# Allegro board 1155001-Timing_board_V3_20241024_1805_pcb.brd (continued)
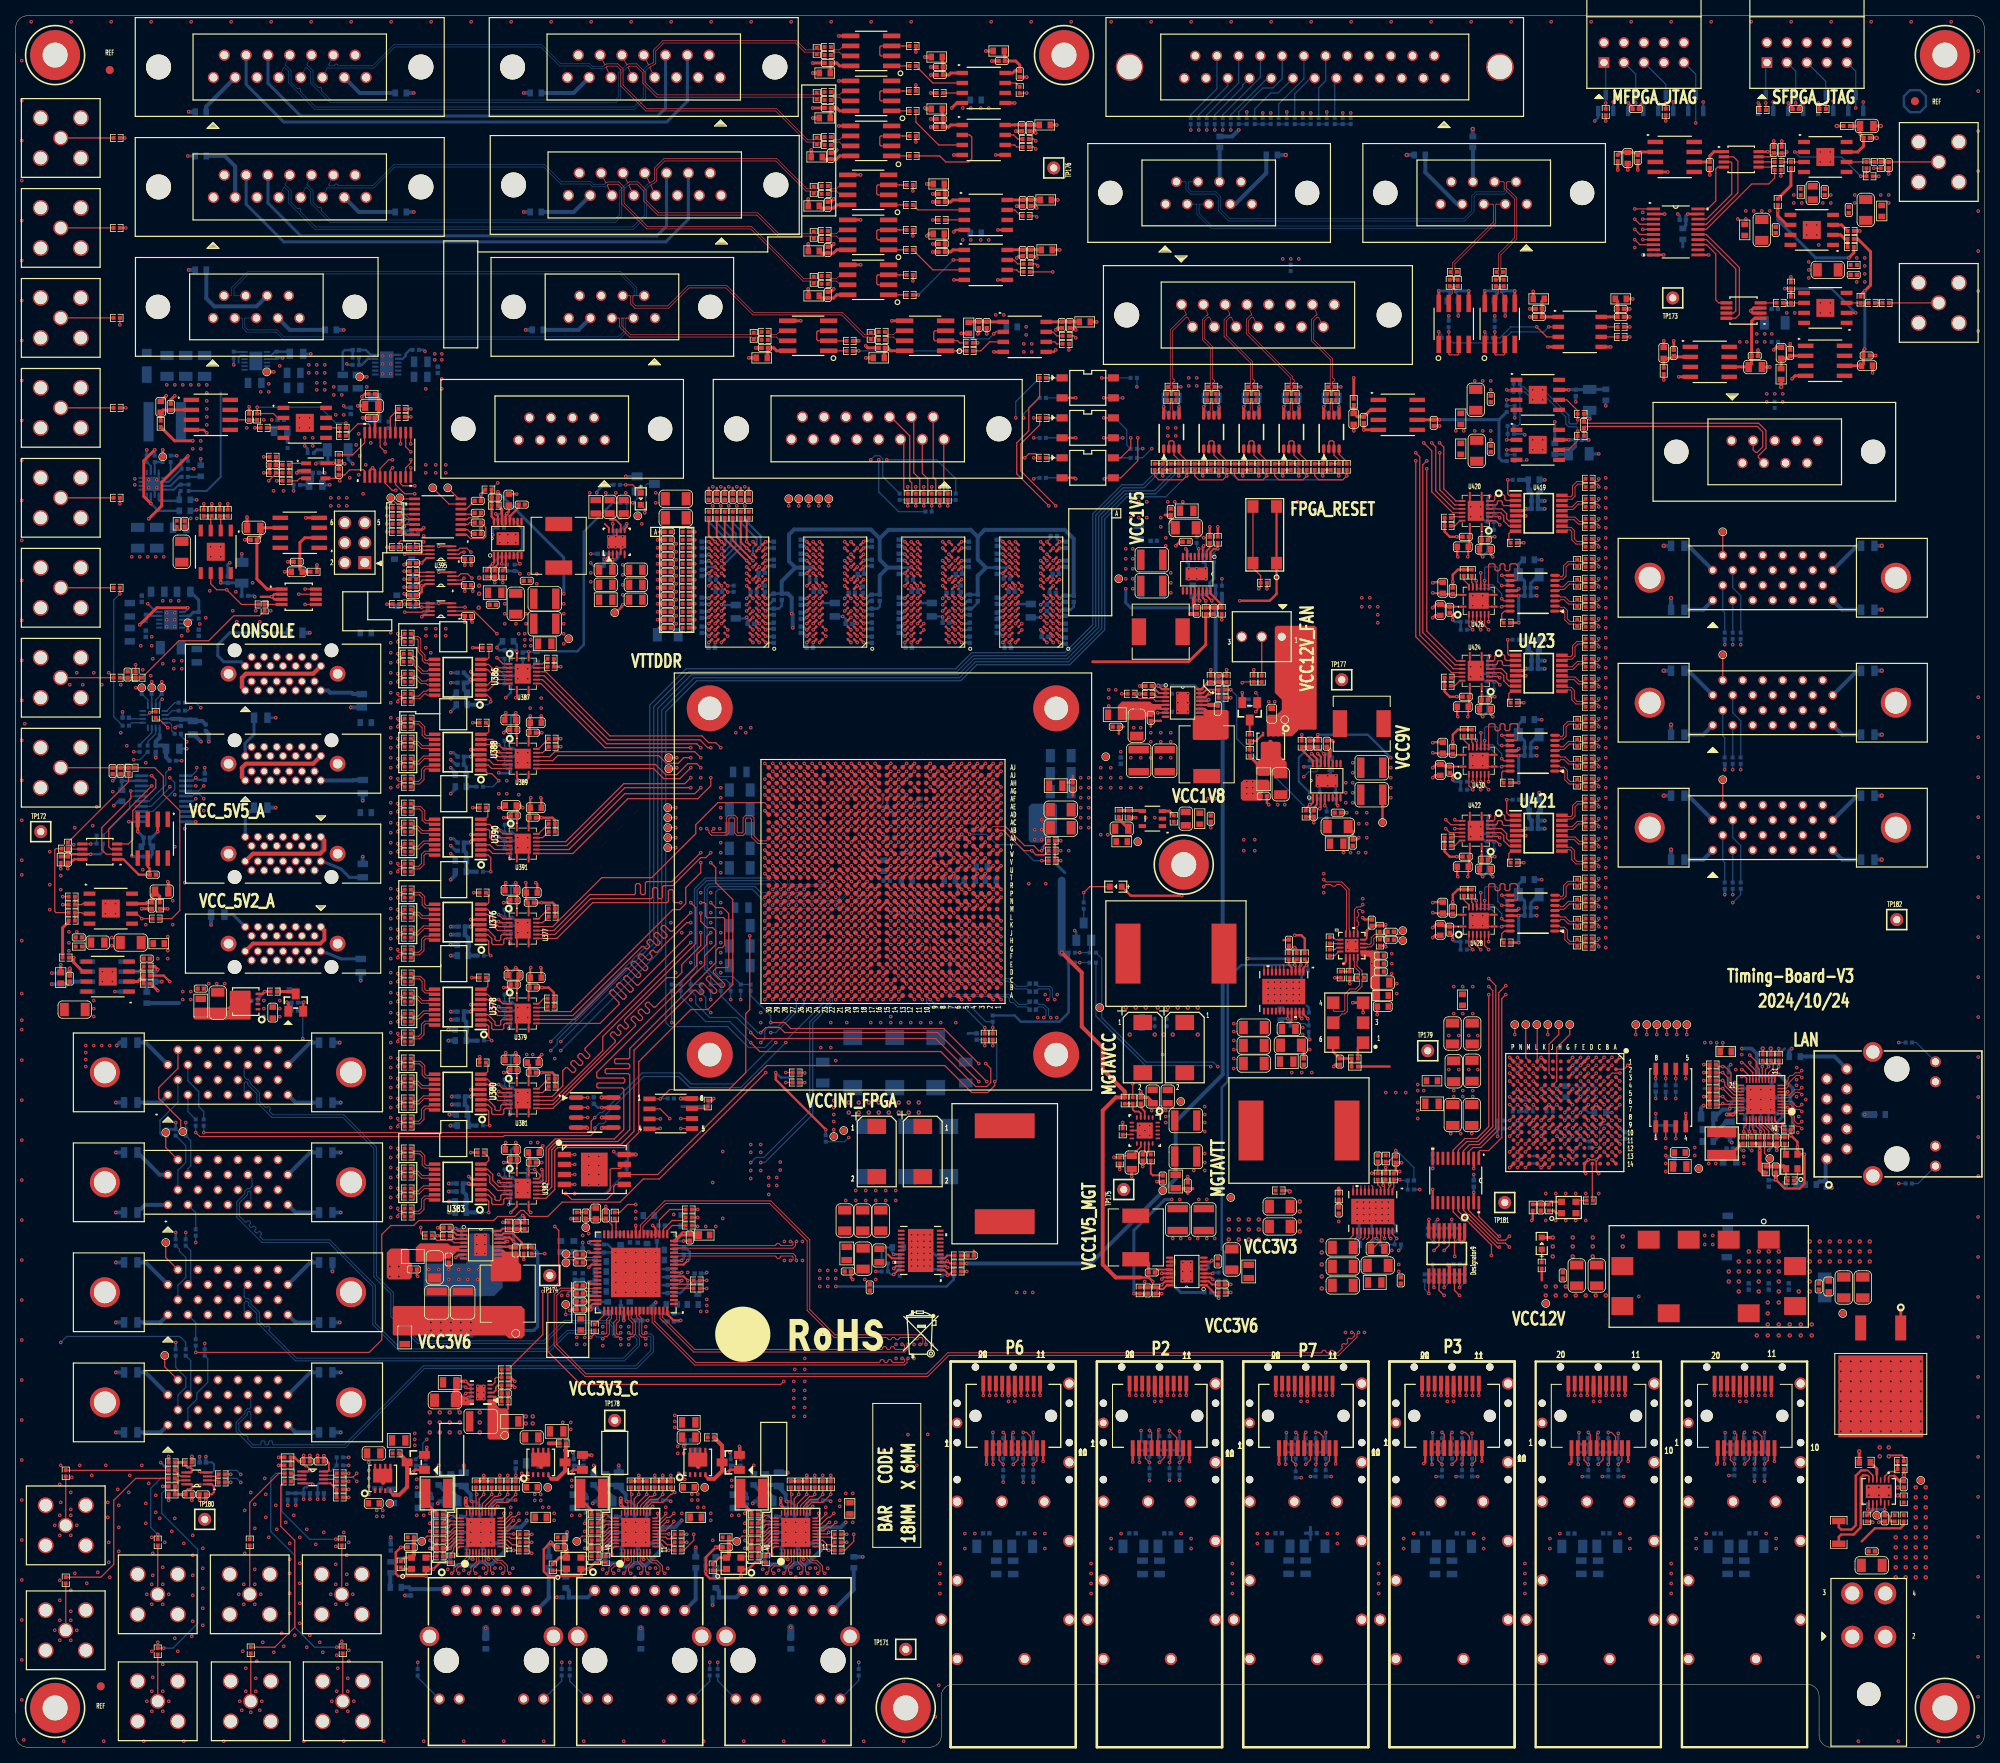
[diagram p0: board, top side]
## Routing (per net, layer and track width the routed paths; a pad name or vN(x,y) marks a point on that pad's centre or on a via; arc(x,y) is an arc through that point) (continued)
  BOTTOM w0.356: R2526.2 v1(97.79,27.3) ; C2608.2 77.22,26.29 v1(77.47,26.04) 76.96,25.53 C2610.2 ; v1(78.74,26.04) 78.99,25.78 C2609.2 ; v1(74.19,23.48) 74.02,23.64 C2602.2 ; C2617.2 94.34,23.64 v1(94.51,23.48) ; C2255.2 51.44,154.56 v1(51.82,154.94) ; v1(225.44,77.74) 225.28,77.58 C851.2 ; C2618.2 100.46,25.91 v1(100.33,26.04) ; C2625.2 97.54,26.29 v1(97.79,26.04) 97.28,25.53 C2624.2 ; C2611.2 72.52,29.97 72.26,29.72 ; v1(52.58,29.72) 52.83,29.97 C2861.2 ; C853.2 223.14,82.55 v1(222.88,82.3) ; C2623.2 99.31,25.78 v1(99.06,26.04) ; v1(60.33,26.04) 60.45,25.91 C2852.2 ; R2771.2 57.02,29.34 v1(57.78,28.57) 57.53,28.32 R2770.2 ; R875.2 219.58,80.26 v1(220.34,81.03) 220.6,80.77 R874.2 ; R2769.2 v1(57.78,27.3) ; v1(222.88,83.57) 223.01,83.69 C842.2 ; v1(61.47,34.54) R2767.2 R2766.2 R2763.2 v1(63.5,34.54) ; C2860.2 57.53,26.29 v1(57.78,26.04) 57.28,25.53 C2858.2 ; R2497.2 76.71,29.34 v1(77.47,28.57) 77.22,28.32 R2496.2 ; v1(214.38,86.74) R856.2 R870.2 R871.2 v1(214.38,84.71) ; v1(54.5,23.48) 54.34,23.64 C2853.2 ; v1(101.47,34.54) R2524.2 R2523.2 R2520.2 v1(103.5,34.54) ; C852.2 222.63,80.77 v1(222.88,81.03) 223.39,80.52 C854.2 ; C2859.2 59.31,25.78 v1(59.05,26.04) ; v1(81.15,34.54) R2493.2 R2492.2 R2489.2 v1(83.19,34.54) ; C864.2 218.95,76.07 219.2,75.82 v1(219.46,75.82) ; C2626.2 92.84,29.97 v1(92.58,29.72) ; v1(80.01,26.04) 80.14,25.91 C2601.2 ; R873.2 v1(221.62,81.03) ; R2495.2 v1(77.47,27.3) ; R2527.2 97.54,28.32 v1(97.79,28.57) 97.03,29.34 R2528.2
  BOTTOM w0.381: C3062.2 C3061.1 v1(193.17,105.66) ; C3062.2 192.43,107.28 C3063.2 ; C3062.2 v1(193.17,106.68) ; v1(36.58,94.67) 36.53,94.61 R3328.2 ; C2426.2 38.23,163.19 v1(38.1,163.07) ; v1(55.24,124.46) 55.81,123.89 C2926.2 ; C2928.2 55.61,126.36 v1(55.24,126.36) ; v1(55.24,114.55) 55.88,113.92 C2917.1 ; R3164.2 v1(217.04,108.33) ; v1(55.24,133.22) 55.94,133.92 C2923.2 ; C3079.2 v1(179.96,73.53) ; C3065.2 C3064.1 v1(193.17,125.98) ; C3065.2 192.43,127.6 C3066.2 ; C3065.2 v1(193.17,127) ; v1(27.18,150.5) 26.92,150.24 C3000.1 ; C3132.1 v1(198.12,170.94) ; C2927.1 55.88,124.84 v1(55.24,125.48) ; C2925.2 v1(55.24,136.53) ; C2429.2 v1(39.88,160.4) ; C2924.1 v1(55.24,135.25) ; C3141.2 v1(201.04,164.34) ; R3158.2 v1(217.04,140.08) ; C2584.2 16.24,114.73 C2583.1 16.24,115.59 v1(15.49,116.33) ; R3171.2 v1(217.04,124.21) ; C3053.2 192.42,147.92 C3060.2 ; C3053.2 C3052.1 v1(193.17,146.3) ; C3053.2 v1(193.17,147.32) ; R2622.1 v1(22.37,36.96) ; C3142.1 v1(199.77,166.12) ; C3131.2 v1(199.9,168.78) ; C2918.2 55.61,115.44 v1(55.24,115.44) ; C2796.2 v1(23.35,36.94) ; v1(42.8,163.07) 42.22,163.65 C2647.2 ; C3010.2 v1(4.57,98.36) ; C2797.2 v1(39.14,31.52) ; C3086.2 211.31,194.57 v1(211.07,194.81) ; v1(55.24,113.54) 55.81,112.97 C2916.2 ; C1207.2 170.62,66.61 ; L342.1 v1(21.84,202.18) ; R3406.1 v1(190.37,168.91) ; C2428.2 v1(39.24,161.93) ; C2999.2 v1(28.7,151.64) ; C2798.2 v1(37.36,31.52) ; U416.4 v1(12.57,96.01)
  BOTTOM w0.508: v1(70.03,27.33) 70.03,26.72 69.85,26.54 C2771.2 ; C2881.2 v1(55.07,80.39) ; R2449.2 v1(12.7,40.01) ; C3041.2 193.31,159.34 C3042.1 ; R2450.2 v1(12.7,47.63) ; C2770.1 v1(68.71,19.05) ; C846.2 214.03,81.19 v1(214.38,81.53) ; C3049.1 v1(194.18,138.05) ; C3049.1 193.31,139.27 C3048.2 ; C3049.1 C3050.2 v1(194.18,137.03) ; v1(225.55,88.77) 225.23,88.45 L242.1 ; C3009.1 17.78,98.55 v1(18.03,98.81) ; R2190.2 v1(12.7,67.95) ; C3039.1 193.31,118.7 C3038.2 ; C3039.1 v1(194.18,117.73) ; C3039.1 C3040.2 v1(194.18,116.71) ; R2453.2 v1(41.27,47.62) ; C2886.1 v1(55.37,81.66) ; R3161.2 v2(209.3,120.9) ; C2856.2 v1(56.9,35.81) ; C850.2 217.68,77.09 v1(217.93,76.83) ; C3008.2 v1(18.54,97.28) ; R2194.2 v1(41.27,75.56) ; R3154.2 v2(209.3,152.65) ; v1(12.83,89.15) 13.21,89.54 R2196.2 ; v1(53.59,30.99) 53.85,31.24 C2854.2 ; R3157.2 v2(236.98,144.53) ; R2131.2 v1(44.07,113.16) ; C2772.2 v1(87.63,22.35) ; L532.2 154.5,204.66 v1(155.32,205.49) ; R3172.2 v2(236.98,128.65) ; L429.1 67.69,25.78 v1(67.94,26.04) ; C2604.2 73.54,31.24 v1(73.28,30.99) ; R2327.2 v1(12.7,53.98) ; C2889.1 v1(55.24,103.25) ; R2331.2 v1(40.22,60.45) ; R2132.2 v1(33.02,119.38) ; R3166.2 v2(236.98,120.9) ; R3160.2 v2(210.22,114.05) ; C884.2 22.6,128.69 v1(23.51,127.78) ; L370.1 v1(86.36,25.4) ; R2128.2 v1(24.8,104.48) ; R2193.2 v1(41.27,67.94) ; R3159.2 v2(236.98,152.65) ; C3042.1 C3043.2 v1(194.18,157.35) ; C3042.1 v1(194.18,158.37) ; C2871.2 v1(47.62,26.67) ; R3173.2 v2(236.98,136.78) ; C2893.2 v1(55.24,93.47) ; R2198.2 v1(41.27,81.91) ; v1(98.04,34.89) C2621.2 ; v1(84.84,38.23) 84.94,38.33 C2644.1 ; R3168.2 v2(209.3,136.78) ; R3167.2 v2(210.22,129.92) ; L338.2 v1(21.97,187.71) ; C2891.2 v1(54.95,91.19) ; C2890.2 v1(55.24,104.27) ; R2452.2 v1(41.27,40) ; v1(93.6,30.99) 93.86,31.24 C2619.2 ; C2769.1 v1(88.5,18.05) ; C2606.2 v1(76.58,35.81) ; R2127.2 v1(43.81,97.41) ; C2885.2 v1(55.22,101.98) ; R3165.2 v2(236.98,112.78) ; v1(107.57,24.2) L371.1 ; R2191.2 v1(12.7,75.57) ; R2195.2 v1(12.7,81.92) ; v1(6.86,98.93) C3014.1 ; L535.2 v2(185.04,205.61) ; C2870.1 v1(49.4,19.28) ; R2129.2 v1(37.34,141.6) ; C1265.1 210.57,74.95 209.78,74.95 v1(209.55,75.18) ; L339.1 v1(21.97,207.79) ; R2130.2 v1(42.55,132.12) ; C838.1 v1(230.65,71.1) ; R2330.2 v1(41.15,53.97) ; R2328.2 v1(12.7,61.6) ; C2882.2 v1(55.37,82.68) ; v1(54.99,69.34) C2904.2 ; R2458.2 v1(44.07,120.27) ; R3153.2 v2(210.22,146.01) ; C881.2 v1(17.78,125.73) ; C2892.1 v1(55.24,92.46) ; R2199.2 v1(41.14,89.53) ; C2906.1 v1(54.99,70.61) ; C2907.2 v1(54.99,71.63)
  BOTTOM w0.889: L373.1 v1(98.42,15.24) ; L42.1 v1(234.82,80.39) ; L430.1 v1(59.69,15.11) ; L372.1 v1(79.38,15.11)
  vias: v1(0.76,214.3) v1(0.76,209.22) v1(0.76,204.14) v1(0.76,199.06) v1(0.76,193.98) v1(0.76,188.9) v1(0.76,183.82) v1(0.76,178.74) v1(0.76,173.66) v1(0.76,168.58) v1(0.76,163.5) v1(0.76,158.42) v1(0.76,153.34) v1(0.76,148.26) v1(0.76,143.18) v1(0.76,138.1) v1(0.76,133.02) v1(0.76,127.94) v1(0.76,122.86) v1(0.76,117.78) v1(0.76,112.7) v1(0.76,110.85) v1(0.76,102.49) v1(0.76,95.76) v1(0.76,92.38) v1(0.76,91.19) v1(0.76,87.3) v1(0.76,82.22) v1(0.76,77.14) v1(0.76,72.06) v1(0.76,66.98) v1(0.76,61.9) v1(0.76,56.82) v1(0.76,51.74) v1(0.76,46.66) v1(0.76,41.58) v1(0.76,36.5) v1(0.76,31.42) v1(0.76,26.34) v1(0.76,21.26) v1(0.76,16.18) v1(0.76,11.1) v1(0.76,6.02) v1(1.01,0.95) v1(1.14,130.05) v1(1.96,219.24) v1(4.32,113.79) v1(4.32,109.6) v1(4.32,106.43) v1(4.95,28.19) v1(4.95,14.86) v1(5.59,33.4) v1(5.59,29.46) v1(5.59,26.92) v1(5.59,21.21) v1(5.59,18.67) v1(5.59,16.13) v1(5.59,13.59) v1(5.71,110.74) v1(5.71,108.97) v1(5.71,35.81) v1(5.71,31.11) v1(6.09,0.76) v1(6.75,103.61) v1(6.86,135) v1(7.04,219.24) v1(6.99,32.38) v1(6.99,30.23) v1(6.99,29.46) v1(6.99,26.92) v1(6.99,19.94) v1(6.99,17.27) v1(6.99,16.13) v1(6.99,13.59) v1(7.11,34.29) v1(7.37,114.68) v1(7.49,116.84) v1(7.49,22.1) v1(7.75,136.53) v1(7.75,28.19) v1(7.75,14.86) v1(7.77,103.61) v1(8.13,35.81) v1(8.51,135) v1(9.02,20.83) v1(9.65,34.54) v1(9.78,117.09) v1(9.91,136.53) v1(9.91,94.87) v1(9.91,93.85) v1(9.91,92.84) v1(9.91,89.15) v1(10.29,119.51) v1(10.41,22.23) v1(10.92,135) v1(10.92,89.15) v1(11.17,0.76) v1(11.43,35.81) v1(11.68,31.11) v1(11.68,29.21) v1(11.81,136.53) v1(11.81,26.04) v1(11.81,23.5) v1(11.94,89.15) v1(11.94,21.59) v1(12.12,219.24) v1(12.19,102.87) v1(12.19,101.85) v1(12.32,121.41) v1(12.95,32.77) v1(13.08,30.73) v1(13.08,27.94) v1(13.08,24.89) v1(13.34,135) v1(13.34,128.91) v1(14.1,127.25) v1(14.35,32.38) v1(14.48,34.54) v1(14.73,151.26) v1(15.11,161.16) v1(15.11,160.4) v1(15.75,151.26) v1(15.88,139.95) v1(16,35.81) v1(16.13,136.91) v1(16.13,111.51) v1(16.25,0.76) v1(16.51,125.09) v1(16.51,104.52) v1(16.51,30.99) v1(16.51,28.45) v1(16.64,19.43) v1(16.64,5.84) v1(16.76,151.26) v1(16.89,161.04) v1(16.89,160.02) v1(16.89,33.53) v1(17.14,136.14) v1(17.2,219.24) v1(17.27,141.1) v1(17.27,139.95) v1(17.27,26.67) v1(17.27,20.7) v1(17.27,18.16) v1(17.27,12.19) v1(17.27,7.11) v1(17.27,4.57) v1(17.4,138.3) v1(17.4,24.64) v1(17.4,21.84) v1(17.4,8.89) v1(17.78,151.26) v1(17.78,32) v1(17.78,29.84) v1(18.03,100.2) v1(18.03,13.34) v1(18.29,29.08) v1(18.67,145.67) v1(18.67,137.67) v1(18.67,22.86) v1(18.67,20.7) v1(18.67,18.16) v1(18.67,10.54) v1(18.67,7.11) v1(18.67,4.57) v1(18.8,151.26) v1(18.92,26.04) v1(19.18,173.1) v1(19.18,144.15) v1(19.18,143.26) v1(19.18,142.37) v1(19.3,100.2) v1(19.43,19.43) v1(19.43,5.84) v1(19.68,145.67) v1(19.81,27.43) v1(19.94,107.57) v1(19.94,104.52) v1(20.19,173.1) v1(20.19,144.15) v1(20.19,143.26) v1(20.19,142.37) v1(20.19,121.03) v1(20.19,114.43) v1(20.19,29.08) v1(20.19,13.84) v1(20.57,12.19) v1(20.7,145.67) v1(21.08,141.22) v1(21.21,173.1) v1(21.34,25.91) v1(21.33,0.76) v1(21.46,116.71) v1(21.46,109.86) v1(22.23,173.1) v1(22.23,156.13) v1(22.28,219.24) v1(22.35,14.1) v1(22.48,26.92) v1(22.48,24.38) v1(22.48,21.84) v1(22.48,19.3) v1(22.48,16) v1(22.99,156.13) v1(23.24,173.1) v1(23.37,142.72) v1(23.75,25.27) v1(23.75,22.73) v1(23.75,20.19) v1(23.75,17.65) v1(23.75,15.49) v1(24.13,143.51) v1(24.26,173.1) v1(24.26,172.09) v1(24.26,171.07) v1(24.26,170.05) v1(24.26,169.04) v1(24.26,168.02) v1(24.51,97.03) v1(24.64,146.94) v1(25.53,97.03) v1(26.41,0.76) v1(26.54,97.03) v1(27.56,144.4) v1(27.94,146.81) v1(28.07,143) v1(28.32,19.43) v1(28.45,5.84) v1(28.7,4.7) v1(28.83,12.19) v1(28.96,20.7) v1(28.96,18.16) v1(29.08,30.1) v1(29.08,24.64) v1(29.21,10.03) v1(29.21,7.11) v1(29.34,167.64) v1(29.84,32.38) v1(29.84,4.45) v1(30.07,147.96) v1(30.35,30.86) v1(30.35,27.81) v1(30.35,22.61) v1(30.35,20.7) v1(30.35,18.16) v1(30.48,144.4) v1(30.48,8.76) v1(30.48,7.11) v1(30.61,10.92) v1(30.99,143) v1(30.99,4.7) v1(31.11,172.21) v1(31.11,19.43) v1(31.24,5.84) v1(31.37,13.34) v1(31.5,168.66) v1(31.51,92.85) v1(31.62,34.16) v1(31.75,32.13) v1(31.75,29.21) v1(32.13,173.23) v1(32.13,172.21) v1(32.13,26.67) v1(32.38,144.4) v1(32.51,168.66) v1(32.77,12.06) v1(33.02,30.73) v1(33.15,27.69) v1(33.53,175.51) v1(33.53,92.84) v1(33.78,14.48) v1(34.04,12.83) v1(34.29,28.57) v1(34.8,25.91) v1(34.8,23.88) v1(34.8,22.1) v1(34.8,19.56) v1(34.8,17.02) v1(35.31,29.46) v1(35.43,14.22) v1(36.07,26.67) v1(36.07,23.37) v1(36.07,20.83) v1(36.07,18.29) v1(36.07,15.75) v1(36.57,0.76) v1(36.96,27.69) v1(36.96,12.7) v1(37.21,175.64) v1(37.21,174.62) v1(37.34,14.22) v1(38.1,25.78) v1(38.23,175.64) v1(38.23,174.62) v1(38.61,13.34) v1(38.99,12.06) v1(39.12,27.3) v1(39.24,175.64) v1(39.24,174.62) v1(40.01,19.43) v1(40.13,5.84) v1(40.64,25.53) v1(40.64,23.24) v1(40.64,20.7) v1(40.64,18.16) v1(40.77,11.68) v1(40.77,7.11) v1(40.77,4.57) v1(40.89,10.03) v1(41.15,160.91) v1(41.4,13.46) v1(41.65,0.76) v1(41.66,27.3) v1(42.04,24.38) v1(42.04,21.97) v1(42.04,20.7) v1(42.04,18.16) v1(42.16,8.76) v1(42.16,7.11) v1(42.16,4.57) v1(42.29,26.04) v1(42.29,12.32) v1(42.29,10.92) v1(42.42,161.29) v1(42.8,19.43) v1(42.93,5.84) v1(43.23,165.48) v1(43.56,166.88) v1(43.56,161.67) v1(43.69,164.08) v1(44.12,159.26) v1(44.45,162.94) v1(44.58,172.85) v1(44.83,36.2) v1(44.83,35.18) v1(44.83,34.16) v1(44.83,33.15) v1(44.83,32.13) v1(45.09,165.74) v1(46.61,176.78) v1(46.61,175.77) v1(46.61,174.5) v1(46.73,0.76) v1(47.62,175.77) v1(47.62,174.5) v1(47.62,141.6) v1(47.62,140.34) v1(47.62,139.06) v1(47.62,137.79) v1(47.62,136.53) v1(47.62,135.25) v1(47.62,133.99) v1(47.62,132.72) v1(47.62,130.81) v1(47.62,129.54) v1(47.62,128.27) v1(47.62,127) v1(47.62,125.73) v1(47.62,124.46) v1(47.62,123.19) v1(47.62,121.92) v1(47.62,120.02) v1(47.62,118.75) v1(47.62,117.47) v1(47.62,116.2) v1(47.62,114.94) v1(47.62,113.67) v1(47.62,112.39) v1(47.62,111.12) v1(47.62,109.09) v1(47.62,107.82) v1(47.62,106.55) v1(47.62,105.28) v1(47.62,104.01) v1(47.62,102.74) v1(47.62,101.47) v1(47.62,100.2) v1(47.62,98.42) v1(47.62,97.16) v1(47.62,95.89) v1(47.62,94.61) v1(47.62,93.34) v1(47.62,92.08) v1(47.62,90.81) v1(47.62,89.53) v1(47.62,87.63) v1(47.62,86.36) v1(47.62,85.09) v1(47.62,83.82) v1(47.62,82.55) v1(47.62,81.28) v1(47.62,80.01) v1(47.62,78.74) v1(47.62,76.2) v1(47.62,74.93) v1(47.62,73.66) v1(47.62,72.39) v1(47.62,71.12) v1(47.62,69.85) v1(47.62,68.58) v1(47.62,67.31) v1(50.93,29.46) v1(51.82,29.46) v1(51.81,0.76) v1(52.07,172.59) v1(52.45,60.71) v1(53.72,60.71) v1(54.1,173.86) v1(54.1,172.59) v1(54.86,22.61) v1(54.99,59.44) v1(56.26,60.71) v1(56.26,59.44) v1(56.9,22.48) v1(56.89,0.76) v1(57.4,59.44) v1(57.53,60.71) v1(58.55,65.02) v1(58.55,63.88) v1(58.55,62.74) v1(58.67,59.44) v1(58.67,45.85) v1(58.67,45.09) v1(58.67,44.32) v1(58.8,60.71) v1(58.93,21.59) v1(59.05,27.3) v1(59.44,45.85) v1(59.44,45.09) v1(59.44,44.32) v1(59.41,22.76) v1(59.56,65.02) v1(59.56,63.88) v1(59.56,62.74) v1(60.33,27.3) v1(60.86,22.76) v1(61.47,154.08) v1(61.47,153.06) v1(61.57,22.76) v1(61.97,0.76) v1(62.1,145.29) v1(62.1,144.02) v1(62.1,142.75) v1(62.48,154.08) v1(62.48,153.06) v1(62.87,30.48) v1(63.12,22.73) v1(63.5,154.08) v1(63.5,153.06) v1(63.53,142.75) v1(63.75,135.76) v1(63.75,125.09) v1(63.75,70.48) v1(64.26,34.8) v1(64.26,34.04) v1(64.8,144.02) v1(64.8,142.75) v1(65.02,135.76) v1(65.02,126.36) v1(65.02,125.09) v1(65.02,115.57) v1(65.02,104.78) v1(65.02,93.98) v1(65.02,83.19) v1(65.02,70.48) v1(65.02,34.8) v1(65.02,34.04) v1(65.15,149.1) v1(66.17,149.1) v1(66.17,147.83) v1(67.05,0.76) v1(68.38,29.72) v1(68.38,28.83) v1(70.61,29.46) v1(71.63,29.46) v1(72.13,0.76) v1(72.77,75.06) v1(72.77,73.91) v1(72.77,72.77) v1(72.77,71.5) v1(73.03,149.22) v1(73.03,148.08) v1(74.04,75.06) v1(74.04,73.91) v1(74.04,72.77) v1(74.04,71.5) v1(74.55,53.43) v1(74.55,51.02) v1(74.55,22.61) v1(74.93,159.38) v1(75.31,153.8) v1(75.31,152.53) v1(76.2,159.38) v1(76.2,152.53) v1(76.2,62.87) v1(76.2,61.59) v1(76.2,60.33) v1(76.2,59.05) v1(76.2,57.78) v1(76.58,22.48) v1(76.83,53.43) v1(76.83,51.14) v1(77.09,153.8) v1(77.21,0.76) v1(77.47,159.38) v1(77.47,62.87) v1(77.47,61.59) v1(77.47,60.33) v1(77.47,59.05) v1(77.47,57.78) v1(77.85,53.43) v1(77.85,51.14) v1(78.61,21.59) v1(78.74,62.87) v1(78.74,61.59) v1(78.74,60.33) v1(78.74,59.05) v1(78.74,57.78) v1(78.74,27.3) v1(79.1,22.76) v1(80.01,62.87) v1(80.01,61.59) v1(80.01,60.33) v1(80.01,59.05) v1(80.01,57.78) v1(80.01,53.43) v1(80.01,51.14) v1(80.01,27.3) v1(80.54,22.76) v1(81.28,159.38) v1(81.28,158.12) v1(81.28,62.87) v1(81.28,61.59) v1(81.28,60.33) v1(81.28,59.05) v1(81.28,57.78) v1(81.25,22.76) v1(82.29,0.76) v1(82.55,30.48) v1(82.8,22.73) v1(83.57,67.69) v1(84.07,38.23) v1(84.07,37.34) v1(84.2,34.8) v1(84.2,34.04) v1(84.84,37.34) v1(84.96,34.8) v1(84.96,34.04) v1(87,123.19) v1(87,116.71) v1(87,108.58) v1(87.37,0.76) v1(88.27,29.72) v1(88.27,28.83) v1(88.52,160.15) v1(88.52,71.75) v1(89.41,116.71) v1(89.53,160.15) v1(89.53,121.92) v1(89.53,120.65) v1(89.53,119.38) v1(89.53,118.11) v1(89.53,114.94) v1(89.53,113.67) v1(89.53,112.39) v1(89.53,111.12) v1(89.53,103.5) v1(89.53,102.23) v1(89.53,100.97) v1(89.53,99.69) v1(89.53,98.42) v1(90.55,160.15) v1(90.93,29.46) v1(91.57,160.15) v1(91.82,29.46) v1(92.45,0.76) v1(92.58,160.15) v1(94.87,22.61) v1(95.14,123) v1(96.9,22.48) v1(97.14,119) v1(97.53,0.76) v1(97.62,64.26) v1(97.62,61.85) v1(99.06,27.3) v1(99.06,21.59) v1(99.42,22.76) v1(99.91,64.26) v1(99.91,61.85) v1(100.14,106) v1(100.33,27.3) v1(100.86,22.76) v1(101.57,22.76) v1(102.14,119) v1(102.23,88.9) v1(102.61,0.76) v1(102.87,30.48) v1(103.12,22.73) v1(103.5,92.08) v1(103.5,88.9) v1(105.41,69.47) v1(105.41,32.26) v1(105.54,92.08) v1(106.3,32.26) v1(106.68,70.74) v1(106.68,69.47) v1(107.69,0.76) v1(107.82,59.44) v1(107.95,70.74) v1(107.95,69.47) v1(108.58,92.08) v1(109.22,70.74) v1(109.22,69.47) v1(109.22,59.44) v1(109.86,92.08) v1(110.49,70.74) v1(110.49,69.47) v1(111.12,92.08) v1(111.76,70.74) v1(111.76,69.47) v1(111.8,51.18) v1(111.8,49.4) v1(112.39,92.08) v1(112.77,0.76) v1(113.67,92.08) v1(113.77,65.1) v1(113.77,64.29) v1(113.77,63.53) v1(113.77,62.74) v1(113.77,61.93) v1(113.77,61.14) v1(114.08,51.18) v1(114.08,49.4) v1(114.55,65.1) v1(114.55,64.29) v1(114.55,63.53) v1(114.55,62.74) v1(114.55,61.93) v1(114.55,61.14) v1(114.94,92.08) v1(115.34,65.1) v1(115.34,64.29) v1(115.34,63.53) v1(115.34,62.74) v1(115.34,61.93) v1(115.34,61.14) v1(116.13,65.1) v1(116.13,64.29) v1(116.13,63.53) v1(116.13,62.74) v1(116.13,61.93) v1(116.13,61.14) v1(116.2,92.08) v1(116.37,51.18) v1(116.78,3.87) v1(117.22,7.87) v1(117.47,92.08) v1(119.38,92.08) v1(120.54,27.15) v1(120.54,25.25) v1(121.81,27.15) v1(122.56,208.28) v1(122.56,191.52) v1(123.57,208.28) v1(123.57,191.52) v1(123.88,219.24) v1(128.32,180.47) v1(128.32,179.45) v1(128.96,219.24) v1(129.43,27.15) v1(129.79,92.71) v1(130.74,95.63) v1(130.7,27.15) v1(130.7,25.25) v1(132.21,92.71) v1(132.27,95.63) v1(134.04,219.24) v1(135.25,123.19) v1(135.25,121.92) v1(135.25,120.65) v1(135.25,119.38) v1(135.25,118.11) v1(135.25,116.84) v1(136.27,123.19) v1(136.27,121.92) v1(136.27,120.65) v1(136.27,119.38) v1(136.27,118.11) v1(136.27,116.84) v1(136.57,22.07) v1(136.57,20.8) v1(137.79,115.95) v1(138.68,115.95) v1(139.12,219.24) v1(139.11,26.52) v1(139.11,25.25) v1(140.34,126.49) v1(140.38,27.15) v1(141.6,125.73) v1(141.99,129.54) v1(142.75,78.99) v1(142.75,77.72) v1(142.88,129.54) v1(142.88,125.73) v1(143.51,118.11) v1(144.02,78.99) v1(144.02,77.72) v1(144.15,128.91) v1(144.15,127.76) v1(144.15,125.73) v1(144.2,219.24) v1(144.65,118.11) v1(145.41,156.24) v1(145.41,155.07) v1(145.41,128.91) v1(145.41,127.76) v1(145.41,125.73) v1(146.05,153.67) v1(146.05,152.65) v1(146.69,149.22) v1(146.69,147.96) v1(146.69,146.69) v1(146.69,128.91) v1(146.69,127.76) v1(146.69,125.73) v1(146.94,64.64) v1(147.57,133.86) v1(147.57,132.72) v1(147.57,131.57) v1(147.96,120.52) v1(147.96,64.64) v1(148,27.15) v1(148.21,61.59) v1(148.21,60.45) v1(148.21,59.31) v1(148.84,133.86) v1(148.84,132.72) v1(148.84,131.57) v1(148.97,148.46) v1(149.1,64.64) v1(149.22,120.52) v1(149.22,61.59) v1(149.22,60.45) v1(149.22,59.31) v1(149.28,219.24) v1(149.27,26.52) v1(149.27,25.25) v1(149.61,73.28) v1(149.99,149.73) v1(149.99,148.46) v1(150.11,64.64) v1(151,81.41) v1(151,80.39) v1(151,79.38) v1(151,78.23) v1(151,75.44) v1(151,74.3) v1(151,73.28) v1(151.13,148.46) v1(151.26,64.64) v1(152.27,64.64) v1(154.36,219.24) v1(154.69,91.95) v1(154.69,90.93) v1(154.69,89.79) v1(154.69,88.65) v1(154.69,87.5) v1(154.69,86.23) v1(157.69,27.15) v1(157.69,25.88) v1(158.96,27.15) v1(159.13,132.84) v1(159.05,97.21) v1(159.05,96.42) v1(159.05,95.63) v1(159.05,94.84) v1(159.44,219.24) v1(159.89,132.84) v1(159.87,97.21) v1(159.87,96.42) v1(159.87,95.63) v1(159.87,94.84) v1(160.27,119.76) v1(160.63,97.21) v1(160.63,96.42) v1(160.63,95.63) v1(160.63,94.84) v1(160.91,189.1) v1(161.16,119.76) v1(161.42,97.21) v1(161.42,96.42) v1(161.42,95.63) v1(161.42,94.84) v1(161.93,189.1) v1(162.23,97.21) v1(162.23,96.42) v1(162.23,95.63) v1(162.23,94.84) v1(162.79,158.24) v1(162.94,189.1) v1(163.02,97.21) v1(163.02,96.42) v1(163.02,95.63) v1(163.02,94.84) v1(163.45,91.44) v1(163.45,90.55) v1(164.34,88.65) v1(164.52,219.24) v1(165.35,123.44) v1(165.35,122.17) v1(166.12,111) v1(166.12,108.58) v1(166.62,122.17) v1(166.58,27.15) v1(167.64,123.44) v1(167.85,27.15) v1(167.85,25.88) v1(168.02,66.8) v1(168.91,122.56) v1(168.91,121.28) v1(168.91,120.02) v1(168.88,52.7) v1(169.16,102.36) v1(169.16,101.35) v1(169.6,219.24) v1(169.8,125.09) v1(169.8,123.83) v1(169.8,122.56) v1(169.8,121.28) v1(169.8,120.02) v1(170.18,102.36) v1(170.18,101.35) v1(170.31,118.75) v1(170.36,69.27) v1(170.36,68.48) v1(170.36,67.69) v1(170.36,66.9) v1(170.56,117.35) v1(171.07,107.82) v1(171.17,69.27) v1(171.17,68.48) v1(171.17,67.69) v1(171.17,66.9) v1(171.29,52.7) v1(171.58,118.75) v1(171.58,117.35) v1(171.58,115.57) v1(171.93,69.27) v1(171.93,68.48) v1(171.93,67.69) v1(171.93,66.9) v1(172.72,69.27) v1(172.72,68.48) v1(172.72,67.69) v1(172.72,66.9) v1(173.53,69.27) v1(173.53,68.48) v1(173.53,67.69) v1(173.53,66.9) v1(174.32,69.27) v1(174.32,68.48) v1(174.32,67.69) v1(174.32,66.9) v1(174.68,219.24) v1(174.75,100.84) v1(174.75,99.57) v1(174.75,98.3) v1(174.75,63.12) v1(175.39,97.03) v1(175.39,95.76) v1(175.64,61.34) v1(175.64,60.45) v1(176.26,26.52) v1(176.26,25.25) v1(177.53,27.15) v1(179.76,219.24) v1(181.99,90.42) v1(181.99,86.11) v1(182.25,77.98) v1(183.26,90.42) v1(183.26,86.11) v1(183.51,77.98) v1(184.53,90.42) v1(184.53,86.11) v1(184.84,219.24) v1(184.78,156.34) v1(184.78,136.02) v1(184.78,115.7) v1(184.91,77.98) v1(185.04,146.3) v1(185.04,145.03) v1(185.04,125.98) v1(185.04,124.71) v1(185.04,105.66) v1(185.04,104.39) v1(185.15,27.15) v1(185.29,173.61) v1(185.29,167.26) v1(185.67,90.42) v1(185.67,86.11) v1(186.31,173.61) v1(186.31,167.26) v1(186.42,26.52) v1(186.42,25.25) v1(187.32,173.61) v1(187.32,172.47) v1(187.32,167.26) v1(187.32,166.12) v1(189.92,219.24) v1(194.31,70.36) v1(194.31,66.93) v1(194.84,26.52) v1(194.84,25.25) v1(195,219.24) v1(195.58,70.36) v1(195.58,66.93) v1(196.11,27.15) v1(196.85,70.36) v1(196.85,66.93) v1(198.12,70.36) v1(198.12,66.93) v1(199.39,70.36) v1(199.39,66.93) v1(200.08,219.24) v1(201.04,70.36) v1(201.93,161.29) v1(201.93,160.02) v1(201.93,158.75) v1(201.93,157.48) v1(201.93,156.21) v1(201.93,154.94) v1(201.93,153.67) v1(201.93,152.4) v1(201.93,151.13) v1(201.93,149.86) v1(201.93,148.59) v1(201.93,147.32) v1(201.93,146.05) v1(201.93,144.78) v1(201.93,143.51) v1(201.93,142.24) v1(201.93,140.97) v1(201.93,139.7) v1(201.93,138.43) v1(201.93,137.16) v1(201.93,135.89) v1(201.93,134.62) v1(201.93,133.35) v1(201.93,132.08) v1(201.93,130.81) v1(201.93,129.54) v1(201.93,128.27) v1(201.93,127) v1(201.93,125.73) v1(201.93,124.46) v1(201.93,123.19) v1(201.93,121.92) v1(201.93,120.65) v1(201.93,119.38) v1(201.93,118.11) v1(201.93,116.84) v1(201.93,115.57) v1(201.93,114.3) v1(201.93,113.03) v1(201.93,111.76) v1(201.93,110.49) v1(201.93,109.22) v1(201.93,107.95) v1(201.93,106.68) v1(201.93,105.41) v1(201.93,104.14) v1(201.93,102.87) v1(201.93,101.6) v1(203.73,27.15) v1(205,26.52) v1(205,25.25) v1(205.16,219.24) v1(205.61,190.54) v1(206.63,195.02) v1(209.55,76.2) v1(210.24,219.24) v1(213.41,26.52) v1(213.41,25.25) v1(214.68,27.15) v1(215.32,219.24) v1(218.44,86.11) v1(219.46,75.06) v1(219.46,74.17) v1(220.4,219.24) v1(220.73,195.2) v1(221.11,179.58) v1(221.62,83.57) v1(221.62,82.3) v1(221.74,195.2) v1(222.12,179.58) v1(222.3,27.15) v1(222.38,171.96) v1(222.38,170.94) v1(222.76,195.2) v1(223.01,179.58) v1(223.39,171.96) v1(223.57,26.52) v1(223.57,25.25) v1(224.41,171.96) v1(224.41,170.94) v1(225.48,219.24) v1(226.19,86.36) v1(226.16,84.81) v1(226.16,84.1) v1(226.16,82.65) v1(226.31,78.11) v1(226.44,80.14) v1(227.33,82.3) v1(227.71,188.72) v1(227.71,187.71) v1(227.71,186.69) v1(228.98,190.88) v1(229.49,196.22) v1(230.5,197.23) v1(230.5,196.22) v1(230.56,219.24) v1(233.55,197.23) v1(233.55,196.22) v1(233.81,186.18) v1(234.82,187.2) v1(234.82,186.18) v1(235.64,219.24) v1(240.72,219.24) v1(245.8,219.24) v1(249.24,215.5) v1(249.24,210.42) v1(249.24,205.34) v1(249.24,200.26) v1(249.24,195.18) v1(249.24,190.1) v1(249.24,185.02) v1(249.24,179.94) v1(249.24,133.42) v1(249.24,128.34) v1(249.24,123.26) v1(249.24,118.18) v1(249.24,113.1) v1(249.24,108.02) v1(249.24,102.94) v1(249.24,97.86) v1(249.24,92.78) v1(249.24,87.7) v1(249.24,82.62) v1(249.24,77.54) v1(249.24,72.58) v2(52.58,42.55) v2(52.58,41.27) v2(52.58,40.01) v2(53.85,42.55) v2(53.85,41.27) v2(53.85,40.01) v2(55.12,42.55) v2(55.12,41.27) v2(55.12,40.01) v2(56.39,41.27) v2(56.39,40.01) v2(58.93,42.55) v2(58.93,41.27) v2(58.93,40.01) v2(141.48,90.55) v2(144.65,90.55) v2(145.8,90.55) v2(146.94,90.55) v2(150.11,90.55) v2(163.07,69.34) v2(163.07,68.07) v2(163.07,66.8) v2(163.07,65.53) v2(165.86,64.39) v2(165.86,62.87) v2(165.86,61.34) v2(165.86,59.82) v2(165.86,58.29) v2(195.2,63.63) v2(195.2,62.36) v2(197.74,64.77) v2(197.74,63.63) v2(197.74,62.36) v2(200.28,64.77) v2(200.28,63.63) v2(200.28,62.36) v2(204.09,64.9) v2(204.09,63.63)
